# KiCad board board_deltaRenumBack.kicad_pcb (continued)
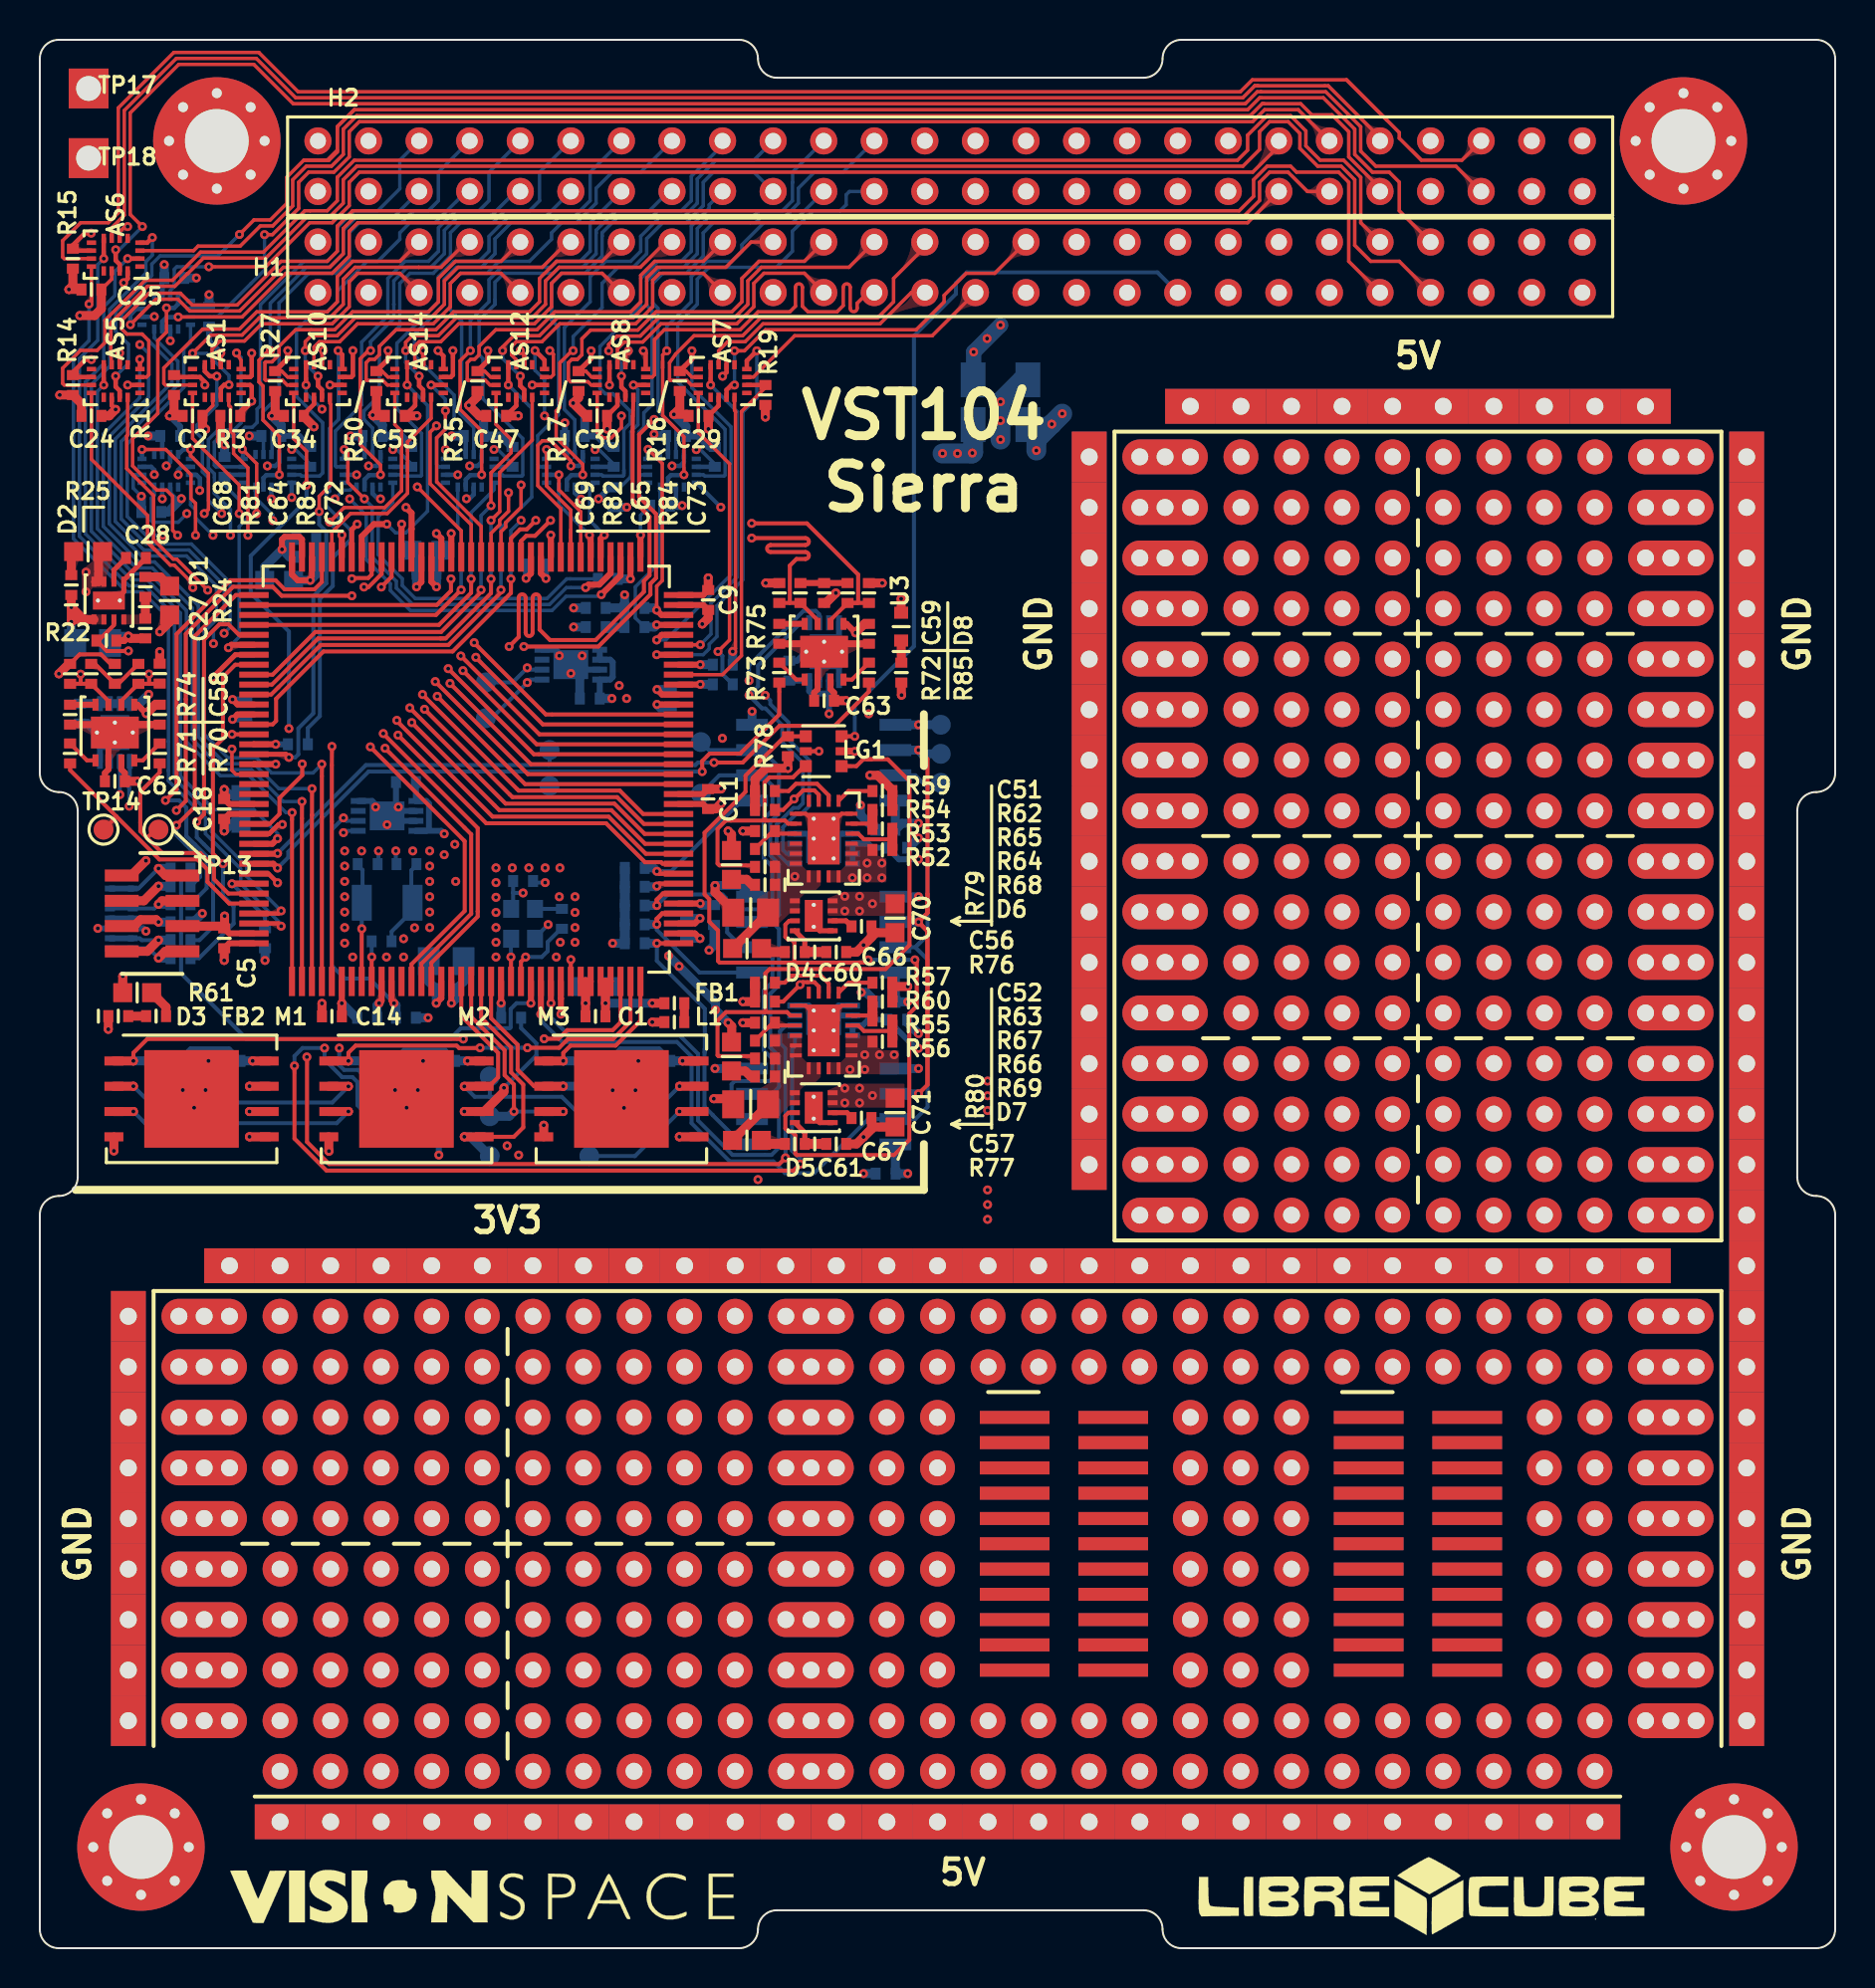
[diagram p0: board, top side]
## Copper pours and planes (outline as drawn; the poured copper is in the pictures) (continued)
GND on In4.Cu: -1.27,96.52 91.44,96.52 91.44,-1.27 -1.27,-1.27
/EF1_out on Top: 35.37,51.12 34.8,50.7 34.63,50.06 35.27,50.23 35.69,50.8
/EF1_out on Top: 38.27,54.4 38.52,54.15 39.22,54.15 39.22,53.41 38.9,53.09 38.52,53.09 38.17,52.74 38.17,51.99 37.66,51.99 37.12,51.48 36.02,51.48 36.02,52.74 36.67,53.14 36.67,55.6 38.27,55.6
/EF2_out on Top: 38.27,44.76 38.52,44.51 39.22,44.51 39.22,43.77 38.9,43.45 38.52,43.45 38.17,43.1 38.17,42.35 37.66,42.35 37.12,41.84 36.02,41.84 36.02,43.1 36.67,43.5 36.67,45.96 38.27,45.96
/I2C2_SDA on Bottom: 23.3,62.55 22.41,62.3 22.22,61.62 22.9,61.8 23.44,62.41
/I2C2_SDA on Bottom: 23.3,62.55 22.41,62.3 22.22,61.62 22.9,61.8 23.44,62.41
/Q1 on Bottom: 26.44,43.09 27.24,42.65 27.85,43 27.24,43.35 26.44,43.53
/TEMP_VDD on Top: 3.34,68.35 2.67,68.35 2.54,68.22 2.54,68.15 2.1,68.15 2.1,69.25 2.68,69.7 3.62,69.7 3.34,68.91
CAN_1_N on Top: 40.95,84.65 40.99,84.69 41.04,84.72 41.08,84.76 41.12,84.79 41.16,84.82 41.21,84.85 41.25,84.88 41.3,84.9 41.34,84.93 41.39,84.95 41.44,84.97 41.49,84.98 41.54,85 41.59,85.01 41.64,85.02 41.69,85.03 41.74,85.04 41.8,85.04 41.85,85.04 41.9,85.04 42.15,85.97 41.23,85.72 41.23,85.66 41.22,85.61 41.22,85.56 41.21,85.5 41.2,85.45 41.19,85.4 41.18,85.35 41.17,85.3 41.15,85.25 41.13,85.21 41.11,85.16 41.09,85.11 41.06,85.07 41.04,85.02 41.01,84.98 40.98,84.94 40.94,84.89 40.91,84.85 40.87,84.81 40.83,84.77
CAN_2_N on Bottom: 40.95,89.73 40.99,89.77 41.04,89.8 41.08,89.84 41.12,89.87 41.16,89.9 41.21,89.93 41.25,89.96 41.3,89.98 41.34,90.01 41.39,90.03 41.44,90.05 41.49,90.06 41.54,90.08 41.59,90.09 41.64,90.1 41.69,90.11 41.74,90.12 41.8,90.12 41.85,90.12 41.9,90.12 42.15,91.05 41.23,90.8 41.23,90.74 41.22,90.69 41.22,90.64 41.21,90.58 41.2,90.53 41.19,90.48 41.18,90.43 41.17,90.38 41.15,90.33 41.13,90.29 41.11,90.24 41.09,90.19 41.06,90.15 41.04,90.1 41.01,90.06 40.98,90.02 40.94,89.97 40.91,89.93 40.87,89.89 40.83,89.85
CAN_2_P on Bottom: 40.67,88.18 41.42,87.79 42.25,88.26 41.42,88.74 40.67,88.35
CPU_MODE on Top: 48.57,84.65 48.61,84.69 48.66,84.72 48.7,84.76 48.74,84.79 48.78,84.82 48.83,84.85 48.87,84.88 48.92,84.9 48.96,84.93 49.01,84.95 49.06,84.97 49.11,84.98 49.16,85 49.21,85.01 49.26,85.02 49.31,85.03 49.36,85.04 49.42,85.04 49.47,85.04 49.52,85.04 49.77,85.97 48.85,85.72 48.85,85.66 48.84,85.61 48.84,85.56 48.83,85.5 48.82,85.45 48.81,85.4 48.8,85.35 48.79,85.3 48.77,85.25 48.75,85.21 48.73,85.16 48.71,85.11 48.68,85.07 48.66,85.02 48.63,84.98 48.6,84.94 48.56,84.89 48.53,84.85 48.49,84.81 48.45,84.77
CPU_WD_1 on Top: 46.03,82.11 46.07,82.15 46.12,82.18 46.16,82.22 46.2,82.25 46.24,82.28 46.29,82.31 46.33,82.34 46.38,82.36 46.42,82.39 46.47,82.41 46.52,82.43 46.57,82.44 46.62,82.46 46.67,82.47 46.72,82.48 46.77,82.49 46.82,82.5 46.88,82.5 46.93,82.5 46.98,82.5 47.23,83.43 46.31,83.18 46.31,83.12 46.3,83.07 46.3,83.02 46.29,82.96 46.28,82.91 46.27,82.86 46.26,82.81 46.25,82.76 46.23,82.71 46.21,82.67 46.19,82.62 46.17,82.57 46.14,82.53 46.12,82.48 46.09,82.44 46.06,82.4 46.02,82.35 45.99,82.31 45.95,82.27 45.91,82.23
GLO_FAULT on Top: 43.49,84.39 43.53,84.45 43.58,84.51 43.62,84.57 43.66,84.63 43.7,84.68 43.75,84.72 43.79,84.77 43.84,84.81 43.88,84.85 43.93,84.88 43.98,84.91 44.03,84.94 44.08,84.96 44.13,84.99 44.18,85 44.23,85.02 44.28,85.03 44.34,85.04 44.39,85.04 44.44,85.04 44.69,85.97 43.77,85.72 43.77,85.66 43.76,85.61 43.76,85.55 43.75,85.49 43.74,85.44 43.73,85.38 43.72,85.32 43.71,85.26 43.69,85.2 43.67,85.14 43.65,85.08 43.63,85.02 43.6,84.96 43.58,84.9 43.55,84.83 43.52,84.77 43.48,84.71 43.45,84.64 43.41,84.58 43.37,84.51
GLO_FAULT on Top: 43.49,84.39 43.53,84.45 43.58,84.51 43.62,84.57 43.66,84.63 43.7,84.68 43.75,84.72 43.79,84.77 43.84,84.81 43.88,84.85 43.93,84.88 43.98,84.91 44.03,84.94 44.08,84.96 44.13,84.99 44.18,85 44.23,85.02 44.28,85.03 44.34,85.04 44.39,85.04 44.44,85.04 44.69,85.97 43.77,85.72 43.77,85.66 43.76,85.61 43.76,85.55 43.75,85.49 43.74,85.44 43.73,85.38 43.72,85.32 43.71,85.26 43.69,85.2 43.67,85.14 43.65,85.08 43.63,85.02 43.6,84.96 43.58,84.9 43.55,84.83 43.52,84.77 43.48,84.71 43.45,84.64 43.41,84.58 43.37,84.51
GLO_KS_1 on Bottom: 56.08,84.11 56.12,84.07 56.16,84.03 56.19,83.99 56.22,83.95 56.25,83.91 56.28,83.86 56.31,83.82 56.33,83.78 56.35,83.73 56.37,83.69 56.39,83.64 56.41,83.59 56.42,83.54 56.44,83.5 56.45,83.45 56.45,83.4 56.46,83.35 56.46,83.3 56.47,83.24 56.47,83.19 57.39,82.94 57.14,83.87 57.09,83.87 57.04,83.87 56.99,83.87 56.94,83.88 56.89,83.89 56.84,83.9 56.79,83.91 56.74,83.93 56.7,83.94 56.65,83.96 56.6,83.98 56.56,84 56.52,84.03 56.47,84.05 56.43,84.08 56.39,84.11 56.35,84.14 56.31,84.18 56.27,84.21 56.23,84.25
GLO_SYNC on Top: 42.81,82.11 42.92,82.15 43.02,82.18 43.13,82.22 43.22,82.25 43.32,82.28 43.41,82.31 43.5,82.34 43.59,82.36 43.68,82.39 43.76,82.41 43.84,82.43 43.92,82.44 43.99,82.46 44.07,82.47 44.14,82.48 44.2,82.49 44.27,82.5 44.33,82.5 44.39,82.5 44.44,82.5 44.69,83.43 43.77,83.18 43.77,83.12 43.76,83.07 43.74,83.02 43.73,82.96 43.7,82.91 43.67,82.86 43.64,82.81 43.6,82.76 43.55,82.71 43.5,82.67 43.44,82.62 43.38,82.57 43.31,82.53 43.24,82.48 43.16,82.44 43.08,82.4 42.99,82.35 42.9,82.31 42.8,82.27 42.69,82.23
GLO_SYNC on Top: 42.81,82.11 42.92,82.15 43.02,82.18 43.13,82.22 43.22,82.25 43.32,82.28 43.41,82.31 43.5,82.34 43.59,82.36 43.68,82.39 43.76,82.41 43.84,82.43 43.92,82.44 43.99,82.46 44.07,82.47 44.14,82.48 44.2,82.49 44.27,82.5 44.33,82.5 44.39,82.5 44.44,82.5 44.69,83.43 43.77,83.18 43.77,83.12 43.76,83.07 43.74,83.02 43.73,82.96 43.7,82.91 43.67,82.86 43.64,82.81 43.6,82.76 43.55,82.71 43.5,82.67 43.44,82.62 43.38,82.57 43.31,82.53 43.24,82.48 43.16,82.44 43.08,82.4 42.99,82.35 42.9,82.31 42.8,82.27 42.69,82.23
I2C_1_SCL on Top: 38.34,84.09 38.69,83.19 39.61,82.94 39.36,83.87 38.46,84.22
I2C_1_SDA on Top: 38.46,84.69 39.36,85.04 39.61,85.97 38.69,85.72 38.34,84.82
I2C_2_SCL on Bottom: 38.41,87.19 38.45,87.23 38.5,87.26 38.54,87.3 38.58,87.33 38.62,87.36 38.67,87.39 38.71,87.42 38.76,87.44 38.8,87.47 38.85,87.49 38.9,87.51 38.95,87.52 39,87.54 39.05,87.55 39.1,87.56 39.15,87.57 39.2,87.58 39.26,87.58 39.31,87.58 39.36,87.58 39.61,88.51 38.69,88.26 38.69,88.2 38.68,88.15 38.68,88.1 38.67,88.04 38.66,87.99 38.65,87.94 38.64,87.89 38.63,87.84 38.61,87.79 38.59,87.75 38.57,87.7 38.55,87.65 38.52,87.61 38.5,87.56 38.47,87.52 38.44,87.48 38.4,87.43 38.37,87.39 38.33,87.35 38.29,87.31
I2C_2_SDA on Bottom: 38.41,89.73 38.45,89.77 38.5,89.8 38.54,89.84 38.58,89.87 38.62,89.9 38.67,89.93 38.71,89.96 38.76,89.98 38.8,90.01 38.85,90.03 38.9,90.05 38.95,90.06 39,90.08 39.05,90.09 39.1,90.1 39.15,90.11 39.2,90.12 39.26,90.12 39.31,90.12 39.36,90.12 39.61,91.05 38.69,90.8 38.69,90.74 38.68,90.69 38.68,90.64 38.67,90.58 38.66,90.53 38.65,90.48 38.64,90.43 38.63,90.38 38.61,90.33 38.59,90.29 38.57,90.24 38.55,90.19 38.52,90.15 38.5,90.1 38.47,90.06 38.44,90.02 38.4,89.97 38.37,89.93 38.33,89.89 38.29,89.85
SPI_1_CS1 on Top: 23.1,84.09 23.45,83.19 24.37,82.94 24.12,83.87 23.22,84.22
SPI_1_CS2 on In2.Cu: 20.68,82.15 21.58,82.5 21.83,83.43 20.91,83.18 20.56,82.28
SPI_1_MISO on Top: 25.55,84.65 25.6,84.69 25.66,84.72 25.72,84.76 25.77,84.79 25.83,84.82 25.89,84.85 25.94,84.88 26,84.9 26.05,84.93 26.11,84.95 26.17,84.97 26.22,84.98 26.28,85 26.33,85.01 26.39,85.02 26.44,85.03 26.5,85.04 26.55,85.04 26.61,85.04 26.66,85.04 26.91,85.97 25.99,85.72 25.99,85.66 25.98,85.61 25.98,85.56 25.97,85.5 25.95,85.45 25.94,85.4 25.92,85.35 25.9,85.3 25.88,85.25 25.85,85.21 25.82,85.16 25.79,85.11 25.75,85.07 25.71,85.02 25.67,84.98 25.63,84.94 25.58,84.89 25.53,84.85 25.48,84.81 25.42,84.77
SPI_1_MOSI on Top: 23.22,84.69 24.12,85.04 24.37,85.97 23.45,85.72 23.1,84.82
SPI_1_SCK on In2.Cu: 25.71,82.11 25.75,82.15 25.8,82.18 25.84,82.22 25.88,82.25 25.92,82.28 25.97,82.31 26.01,82.34 26.06,82.36 26.1,82.39 26.15,82.41 26.2,82.43 26.25,82.44 26.3,82.46 26.35,82.47 26.4,82.48 26.45,82.49 26.5,82.5 26.56,82.5 26.61,82.5 26.66,82.5 26.91,83.43 25.99,83.18 25.99,83.12 25.98,83.07 25.98,83.02 25.97,82.96 25.96,82.91 25.95,82.86 25.94,82.81 25.93,82.76 25.91,82.71 25.89,82.67 25.87,82.62 25.85,82.57 25.82,82.53 25.8,82.48 25.77,82.44 25.74,82.4 25.7,82.35 25.67,82.31 25.63,82.27 25.59,82.23
SPI_2_CS1 on Bottom: 22.93,87.19 23,87.23 23.06,87.26 23.12,87.3 23.19,87.33 23.25,87.36 23.31,87.39 23.37,87.42 23.43,87.44 23.49,87.47 23.55,87.49 23.61,87.51 23.67,87.52 23.73,87.54 23.79,87.55 23.84,87.56 23.9,87.57 23.96,87.58 24.01,87.58 24.07,87.58 24.12,87.58 24.37,88.51 23.45,88.26 23.45,88.2 23.44,88.15 23.43,88.1 23.42,88.04 23.41,87.99 23.39,87.94 23.37,87.89 23.35,87.84 23.32,87.79 23.29,87.75 23.26,87.7 23.22,87.65 23.18,87.61 23.14,87.56 23.09,87.52 23.04,87.48 22.99,87.43 22.93,87.39 22.87,87.35 22.81,87.31
SPI_2_CS2 on Bottom: 20.47,87.19 20.52,87.23 20.58,87.26 20.64,87.3 20.69,87.33 20.75,87.36 20.81,87.39 20.86,87.42 20.92,87.44 20.97,87.47 21.03,87.49 21.09,87.51 21.14,87.52 21.2,87.54 21.25,87.55 21.31,87.56 21.36,87.57 21.42,87.58 21.47,87.58 21.53,87.58 21.58,87.58 21.83,88.51 20.91,88.26 20.91,88.2 20.9,88.15 20.9,88.1 20.89,88.04 20.87,87.99 20.86,87.94 20.84,87.89 20.82,87.84 20.8,87.79 20.77,87.75 20.74,87.7 20.71,87.65 20.67,87.61 20.63,87.56 20.59,87.52 20.55,87.48 20.5,87.43 20.45,87.39 20.4,87.35 20.34,87.31
SPI_2_MISO on Bottom: 25.71,89.73 25.75,89.77 25.8,89.8 25.84,89.84 25.88,89.87 25.92,89.9 25.97,89.93 26.01,89.96 26.06,89.98 26.1,90.01 26.15,90.03 26.2,90.05 26.25,90.06 26.3,90.08 26.35,90.09 26.4,90.1 26.45,90.11 26.5,90.12 26.56,90.12 26.61,90.12 26.66,90.12 26.91,91.05 25.99,90.8 25.99,90.74 25.98,90.69 25.98,90.64 25.97,90.58 25.96,90.53 25.95,90.48 25.94,90.43 25.93,90.38 25.91,90.33 25.89,90.29 25.87,90.24 25.85,90.19 25.82,90.15 25.8,90.1 25.77,90.06 25.74,90.02 25.7,89.97 25.67,89.93 25.63,89.89 25.59,89.85
SPI_2_MOSI on Bottom: 23.17,89.73 23.21,89.77 23.26,89.8 23.3,89.84 23.34,89.87 23.38,89.9 23.43,89.93 23.47,89.96 23.52,89.98 23.56,90.01 23.61,90.03 23.66,90.05 23.71,90.06 23.76,90.08 23.81,90.09 23.86,90.1 23.91,90.11 23.96,90.12 24.02,90.12 24.07,90.12 24.12,90.12 24.37,91.05 23.45,90.8 23.45,90.74 23.44,90.69 23.44,90.64 23.43,90.58 23.42,90.53 23.41,90.48 23.4,90.43 23.39,90.38 23.37,90.33 23.35,90.29 23.33,90.24 23.31,90.19 23.28,90.15 23.26,90.1 23.23,90.06 23.2,90.02 23.16,89.97 23.13,89.93 23.09,89.89 23.05,89.85
SPI_2_SCK on Bottom: 25.71,87.19 25.75,87.23 25.8,87.26 25.84,87.3 25.88,87.33 25.92,87.36 25.97,87.39 26.01,87.42 26.06,87.44 26.1,87.47 26.15,87.49 26.2,87.51 26.25,87.52 26.3,87.54 26.35,87.55 26.4,87.56 26.45,87.57 26.5,87.58 26.56,87.58 26.61,87.58 26.66,87.58 26.91,88.51 25.99,88.26 25.99,88.2 25.98,88.15 25.98,88.1 25.97,88.04 25.96,87.99 25.95,87.94 25.94,87.89 25.93,87.84 25.91,87.79 25.89,87.75 25.87,87.7 25.85,87.65 25.82,87.61 25.8,87.56 25.77,87.52 25.74,87.48 25.7,87.43 25.67,87.39 25.63,87.35 25.59,87.31
SUP_3V3 on Top: 42.08,54.9 42.52,54.75 42.52,53.55 39.52,53.55 39.52,54.15 40.22,54.15 40.47,54.4 40.47,55.6 41.13,55.6 41.24,55.49 42.08,55.49
SUP_3V3 on Bottom: 46.52,79.89 46.44,79.25 46.88,78.49 47.31,79.25 47.29,79.89
SUP_3V3 on In3.Cu: 48.08,87.72 47.67,88.26 46.75,88.51 47,87.58 47.54,87.17
SUP_3V3 on In3.Cu: 45.9,91.35 46.31,90.81 47.23,90.56 46.98,91.49 46.44,91.9
SUP_3V3 on In3.Cu: 42.64,54.76 42.64,53.55 40.22,53.55 40.22,54.15 40.47,54.4 40.47,54.76
SUP_5V on Top: 42.08,45.26 42.32,45.12 43.14,45.12 43.14,43.91 39.52,43.91 39.52,44.51 40.22,44.51 40.47,44.76 40.47,45.96 41.13,45.96 41.24,45.85 42.08,45.85
SUP_5V on In3.Cu: 45.54,87.72 45.13,88.26 44.21,88.51 44.46,87.58 45,87.17
SUP_5V on In3.Cu: 43.14,45.12 43.14,43.91 40.22,43.91 40.22,44.51 40.47,44.76 40.47,45.12
UART_1_CTS on Top: 28.3,84.69 29.2,85.04 29.45,85.97 28.53,85.72 28.18,84.82
UART_1_RST on Top: 30.47,84.65 30.54,84.69 30.62,84.72 30.69,84.76 30.75,84.79 30.82,84.82 30.89,84.85 30.96,84.88 31.02,84.9 31.09,84.93 31.15,84.95 31.21,84.97 31.28,84.98 31.34,85 31.4,85.01 31.46,85.02 31.52,85.03 31.57,85.04 31.63,85.04 31.69,85.04 31.74,85.04 31.99,85.97 31.07,85.72 31.07,85.66 31.06,85.61 31.05,85.56 31.04,85.5 31.02,85.45 31.01,85.4 30.98,85.35 30.96,85.3 30.92,85.25 30.89,85.21 30.85,85.16 30.81,85.11 30.77,85.07 30.72,85.02 30.67,84.98 30.61,84.94 30.55,84.89 30.49,84.85 30.42,84.81 30.35,84.77
UART_1_RST on Top: 30.47,84.65 30.54,84.69 30.62,84.72 30.69,84.76 30.75,84.79 30.82,84.82 30.89,84.85 30.96,84.88 31.02,84.9 31.09,84.93 31.15,84.95 31.21,84.97 31.28,84.98 31.34,85 31.4,85.01 31.46,85.02 31.52,85.03 31.57,85.04 31.63,85.04 31.69,85.04 31.74,85.04 31.99,85.97 31.07,85.72 31.07,85.66 31.06,85.61 31.05,85.56 31.04,85.5 31.02,85.45 31.01,85.4 30.98,85.35 30.96,85.3 30.92,85.25 30.89,85.21 30.85,85.16 30.81,85.11 30.77,85.07 30.72,85.02 30.67,84.98 30.61,84.94 30.55,84.89 30.49,84.85 30.42,84.81 30.35,84.77
UART_1_RX on In2.Cu: 30.79,82.11 30.83,82.15 30.88,82.18 30.92,82.22 30.96,82.25 31,82.28 31.05,82.31 31.09,82.34 31.14,82.36 31.18,82.39 31.23,82.41 31.28,82.43 31.33,82.44 31.38,82.46 31.43,82.47 31.48,82.48 31.53,82.49 31.58,82.5 31.64,82.5 31.69,82.5 31.74,82.5 31.99,83.43 31.07,83.18 31.07,83.12 31.06,83.07 31.06,83.02 31.05,82.96 31.04,82.91 31.03,82.86 31.02,82.81 31.01,82.76 30.99,82.71 30.97,82.67 30.95,82.62 30.93,82.57 30.9,82.53 30.88,82.48 30.85,82.44 30.82,82.4 30.78,82.35 30.75,82.31 30.71,82.27 30.67,82.23
UART_1_TX on Top: 28.18,84.09 28.53,83.19 29.45,82.94 29.2,83.87 28.3,84.22
UART_2_CTS on Bottom: 28.25,89.73 28.29,89.77 28.34,89.8 28.38,89.84 28.42,89.87 28.46,89.9 28.51,89.93 28.55,89.96 28.6,89.98 28.64,90.01 28.69,90.03 28.74,90.05 28.79,90.06 28.84,90.08 28.89,90.09 28.94,90.1 28.99,90.11 29.04,90.12 29.1,90.12 29.15,90.12 29.2,90.12 29.45,91.05 28.53,90.8 28.53,90.74 28.52,90.69 28.52,90.64 28.51,90.58 28.5,90.53 28.49,90.48 28.48,90.43 28.47,90.38 28.45,90.33 28.43,90.29 28.41,90.24 28.39,90.19 28.36,90.15 28.34,90.1 28.31,90.06 28.28,90.02 28.24,89.97 28.21,89.93 28.17,89.89 28.13,89.85
UART_2_RST on Bottom: 30.79,89.73 30.83,89.77 30.88,89.8 30.92,89.84 30.96,89.87 31,89.9 31.05,89.93 31.09,89.96 31.14,89.98 31.18,90.01 31.23,90.03 31.28,90.05 31.33,90.06 31.38,90.08 31.43,90.09 31.48,90.1 31.53,90.11 31.58,90.12 31.64,90.12 31.69,90.12 31.74,90.12 31.99,91.05 31.07,90.8 31.07,90.74 31.06,90.69 31.06,90.64 31.05,90.58 31.04,90.53 31.03,90.48 31.02,90.43 31.01,90.38 30.99,90.33 30.97,90.29 30.95,90.24 30.93,90.19 30.9,90.15 30.88,90.1 30.85,90.06 30.82,90.02 30.78,89.97 30.75,89.93 30.71,89.89 30.67,89.85
UART_2_RX on Bottom: 30.67,87.23 31.74,87.58 31.99,88.51 31.07,88.26 31.07,88.2 31.06,88.15 31.06,88.1 31.05,88.05 31.04,88 31.02,87.95 31.01,87.9 30.99,87.85 30.97,87.8 30.94,87.76 30.91,87.71 30.88,87.67 30.85,87.63 30.82,87.59 30.78,87.55 30.74,87.51 30.7,87.47 30.65,87.43 30.6,87.39 30.55,87.36
UART_2_TX on Bottom: 28.25,87.19 28.29,87.23 28.34,87.26 28.38,87.3 28.42,87.33 28.46,87.36 28.51,87.39 28.55,87.42 28.6,87.44 28.64,87.47 28.69,87.49 28.74,87.51 28.79,87.52 28.84,87.54 28.89,87.55 28.94,87.56 28.99,87.57 29.04,87.58 29.1,87.58 29.15,87.58 29.2,87.58 29.45,88.51 28.53,88.26 28.53,88.2 28.52,88.15 28.52,88.1 28.51,88.04 28.5,87.99 28.49,87.94 28.48,87.89 28.47,87.84 28.45,87.79 28.43,87.75 28.41,87.7 28.39,87.65 28.36,87.61 28.34,87.56 28.31,87.52 28.28,87.48 28.24,87.43 28.21,87.39 28.17,87.35 28.13,87.31
UART_RCS_1_CTS on Top: 33.38,84.69 34.28,85.04 34.53,85.97 33.61,85.72 33.26,84.82
UART_RCS_1_RST on Top: 35.72,85.64 36.34,85.25 37.17,85.72 36.34,86.2 35.72,85.81
UART_RCS_1_RX on In2.Cu: 35.87,82.11 35.91,82.15 35.96,82.18 36,82.22 36.04,82.25 36.08,82.28 36.13,82.31 36.17,82.34 36.22,82.36 36.26,82.39 36.31,82.41 36.36,82.43 36.41,82.44 36.46,82.46 36.51,82.47 36.56,82.48 36.61,82.49 36.66,82.5 36.72,82.5 36.77,82.5 36.82,82.5 37.07,83.43 36.15,83.18 36.15,83.12 36.14,83.07 36.14,83.02 36.13,82.96 36.12,82.91 36.11,82.86 36.1,82.81 36.09,82.76 36.07,82.71 36.05,82.67 36.03,82.62 36.01,82.57 35.98,82.53 35.96,82.48 35.93,82.44 35.9,82.4 35.86,82.35 35.83,82.31 35.79,82.27 35.75,82.23
UART_RCS_1_TX on Top: 33.26,84.09 33.61,83.19 34.53,82.94 34.28,83.87 33.38,84.22
UART_RCS_2_CTS on Bottom: 33.33,89.51 33.37,89.57 33.42,89.63 33.46,89.68 33.5,89.73 33.54,89.78 33.59,89.83 33.63,89.87 33.68,89.91 33.72,89.94 33.77,89.97 33.82,90 33.87,90.03 33.92,90.05 33.97,90.07 34.02,90.09 34.07,90.1 34.12,90.11 34.18,90.12 34.23,90.12 34.28,90.12 34.53,91.05 33.61,90.8 33.61,90.74 33.6,90.69 33.6,90.63 33.59,90.58 33.58,90.52 33.57,90.46 33.56,90.41 33.55,90.35 33.53,90.29 33.51,90.23 33.49,90.18 33.47,90.12 33.44,90.06 33.42,90 33.39,89.94 33.36,89.88 33.32,89.82 33.29,89.76 33.25,89.7 33.21,89.64
UART_RCS_2_RST on Bottom: 35.92,89.77 36.82,90.12 37.07,91.05 36.15,90.8 35.8,89.9
UART_RCS_2_RX on Bottom: 35.8,89.17 36.15,88.27 37.07,88.02 36.82,88.95 35.92,89.3
USER_1_1 on Top: 18.02,84.09 18.37,83.19 19.29,82.94 19.04,83.87 18.14,84.22
USER_1_2 on Top: 18.14,84.69 19.04,85.04 19.29,85.97 18.37,85.72 18.02,84.82
USER_1_4 on Top: 20.47,84.65 20.52,84.69 20.58,84.72 20.64,84.76 20.69,84.79 20.75,84.82 20.81,84.85 20.86,84.88 20.92,84.9 20.97,84.93 21.03,84.95 21.09,84.97 21.14,84.98 21.2,85 21.25,85.01 21.31,85.02 21.36,85.03 21.42,85.04 21.47,85.04 21.53,85.04 21.58,85.04 21.83,85.97 20.91,85.72 20.91,85.66 20.9,85.61 20.9,85.56 20.89,85.5 20.87,85.45 20.86,85.4 20.84,85.35 20.82,85.3 20.8,85.25 20.77,85.21 20.74,85.16 20.71,85.11 20.67,85.07 20.63,85.02 20.59,84.98 20.55,84.94 20.5,84.89 20.45,84.85 20.4,84.81 20.34,84.77
USER_2_1 on Bottom: 18.09,87.19 18.13,87.23 18.18,87.26 18.22,87.3 18.26,87.33 18.3,87.36 18.35,87.39 18.39,87.42 18.44,87.44 18.48,87.47 18.53,87.49 18.58,87.51 18.63,87.52 18.68,87.54 18.73,87.55 18.78,87.56 18.83,87.57 18.88,87.58 18.94,87.58 18.99,87.58 19.04,87.58 19.29,88.51 18.37,88.26 18.37,88.2 18.36,88.15 18.36,88.1 18.35,88.04 18.34,87.99 18.33,87.94 18.32,87.89 18.31,87.84 18.29,87.79 18.27,87.75 18.25,87.7 18.23,87.65 18.2,87.61 18.18,87.56 18.15,87.52 18.12,87.48 18.08,87.43 18.05,87.39 18.01,87.35 17.97,87.31
USER_2_2 on Bottom: 18.14,89.77 19.04,90.12 19.29,91.05 18.37,90.8 18.02,89.9
USER_2_4 on Bottom: 20.63,89.73 20.67,89.77 20.72,89.8 20.76,89.84 20.8,89.87 20.84,89.9 20.89,89.93 20.93,89.96 20.98,89.98 21.02,90.01 21.07,90.03 21.12,90.05 21.17,90.06 21.22,90.08 21.27,90.09 21.32,90.1 21.37,90.11 21.42,90.12 21.48,90.12 21.53,90.12 21.58,90.12 21.83,91.05 20.91,90.8 20.91,90.74 20.9,90.69 20.9,90.64 20.89,90.58 20.88,90.53 20.87,90.48 20.86,90.43 20.85,90.38 20.83,90.33 20.81,90.29 20.79,90.24 20.77,90.19 20.74,90.15 20.72,90.1 20.69,90.06 20.66,90.02 20.62,89.97 20.59,89.93 20.55,89.89 20.51,89.85
USER_3_1 on In2.Cu: 61.2,84.09 61.55,83.19 62.47,82.94 62.22,83.87 61.32,84.22
USER_3_2 on In2.Cu: 61.2,86.63 61.55,85.73 62.47,85.48 62.22,86.41 61.32,86.76
USER_3_3 on In2.Cu: 63.74,84.09 64.09,83.19 65.01,82.94 64.76,83.87 63.86,84.22
USER_3_4 on In2.Cu: 63.69,86.68 63.73,86.64 63.77,86.6 63.8,86.56 63.84,86.51 63.87,86.47 63.9,86.43 63.92,86.38 63.95,86.34 63.97,86.29 63.99,86.24 64.01,86.2 64.03,86.15 64.04,86.1 64.05,86.05 64.06,86 64.07,85.95 64.08,85.89 64.08,85.84 64.09,85.79 64.09,85.73 65.01,85.48 64.76,86.41 64.71,86.41 64.66,86.41 64.6,86.41 64.55,86.42 64.5,86.43 64.45,86.44 64.4,86.45 64.35,86.47 64.3,86.48 64.25,86.5 64.2,86.52 64.16,86.55 64.11,86.57 64.07,86.6 64.02,86.63 63.98,86.66 63.94,86.69 63.9,86.73 63.85,86.76 63.81,86.8
USER_4_1 on Top: 61.27,87.19 61.31,87.23 61.36,87.26 61.4,87.3 61.44,87.33 61.48,87.36 61.53,87.39 61.57,87.42 61.62,87.44 61.66,87.47 61.71,87.49 61.76,87.51 61.81,87.52 61.86,87.54 61.91,87.55 61.96,87.56 62.01,87.57 62.06,87.58 62.12,87.58 62.17,87.58 62.22,87.58 62.47,88.51 61.55,88.26 61.55,88.2 61.54,88.15 61.54,88.1 61.53,88.04 61.52,87.99 61.51,87.94 61.5,87.89 61.49,87.84 61.47,87.79 61.45,87.75 61.43,87.7 61.41,87.65 61.38,87.61 61.36,87.56 61.33,87.52 61.3,87.48 61.26,87.43 61.23,87.39 61.19,87.35 61.15,87.31
USER_4_2 on Top: 61.27,89.47 61.31,89.53 61.36,89.59 61.4,89.65 61.44,89.71 61.48,89.76 61.53,89.8 61.57,89.85 61.62,89.89 61.66,89.93 61.71,89.96 61.76,89.99 61.81,90.02 61.86,90.04 61.91,90.07 61.96,90.08 62.01,90.1 62.06,90.11 62.12,90.12 62.17,90.12 62.22,90.12 62.47,91.05 61.55,90.8 61.55,90.74 61.54,90.69 61.54,90.63 61.53,90.57 61.52,90.52 61.51,90.46 61.5,90.4 61.49,90.34 61.47,90.28 61.45,90.22 61.43,90.16 61.41,90.1 61.38,90.04 61.36,89.98 61.33,89.91 61.3,89.85 61.26,89.79 61.23,89.72 61.19,89.66 61.15,89.59
USER_4_2 on Top: 61.27,89.47 61.31,89.53 61.36,89.59 61.4,89.65 61.44,89.71 61.48,89.76 61.53,89.8 61.57,89.85 61.62,89.89 61.66,89.93 61.71,89.96 61.76,89.99 61.81,90.02 61.86,90.04 61.91,90.07 61.96,90.08 62.01,90.1 62.06,90.11 62.12,90.12 62.17,90.12 62.22,90.12 62.47,91.05 61.55,90.8 61.55,90.74 61.54,90.69 61.54,90.63 61.53,90.57 61.52,90.52 61.51,90.46 61.5,90.4 61.49,90.34 61.47,90.28 61.45,90.22 61.43,90.16 61.41,90.1 61.38,90.04 61.36,89.98 61.33,89.91 61.3,89.85 61.26,89.79 61.23,89.72 61.19,89.66 61.15,89.59
USER_4_3 on Top: 63.66,88.18 64.28,87.79 65.11,88.26 64.28,88.74 63.66,88.35
USER_4_4 on Top: 63.69,91.76 63.73,91.72 63.77,91.68 63.8,91.64 63.84,91.59 63.87,91.55 63.9,91.51 63.92,91.46 63.95,91.42 63.97,91.37 63.99,91.32 64.01,91.28 64.03,91.23 64.04,91.18 64.05,91.13 64.06,91.08 64.07,91.03 64.08,90.97 64.08,90.92 64.09,90.87 64.09,90.81 65.01,90.56 64.76,91.49 64.71,91.49 64.66,91.49 64.6,91.49 64.55,91.5 64.5,91.51 64.45,91.52 64.4,91.53 64.35,91.55 64.3,91.56 64.25,91.58 64.2,91.6 64.16,91.63 64.11,91.65 64.07,91.68 64.02,91.71 63.98,91.74 63.94,91.77 63.9,91.81 63.85,91.84 63.81,91.88
USER_5_1 on Top: 66.23,84.14 66.27,84.1 66.31,84.06 66.34,84.02 66.38,83.97 66.41,83.93 66.44,83.89 66.46,83.84 66.49,83.8 66.51,83.75 66.53,83.7 66.55,83.66 66.57,83.61 66.58,83.56 66.59,83.51 66.6,83.46 66.61,83.41 66.62,83.35 66.62,83.3 66.63,83.25 66.63,83.19 67.55,82.94 67.3,83.87 67.25,83.87 67.2,83.87 67.14,83.87 67.09,83.88 67.04,83.89 66.99,83.9 66.94,83.91 66.89,83.93 66.84,83.94 66.79,83.96 66.74,83.98 66.7,84.01 66.65,84.03 66.61,84.06 66.56,84.09 66.52,84.12 66.48,84.15 66.44,84.19 66.39,84.22 66.35,84.26
USER_5_2 on Top: 66.28,86.63 66.63,85.73 67.55,85.48 67.3,86.41 66.4,86.76
USER_5_3 on Top: 68.77,84.14 68.81,84.1 68.85,84.06 68.88,84.02 68.92,83.97 68.95,83.93 68.98,83.89 69,83.84 69.03,83.8 69.05,83.75 69.07,83.7 69.09,83.66 69.11,83.61 69.12,83.56 69.13,83.51 69.14,83.46 69.15,83.41 69.16,83.35 69.16,83.3 69.17,83.25 69.17,83.19 70.09,82.94 69.84,83.87 69.79,83.87 69.74,83.87 69.68,83.87 69.63,83.88 69.58,83.89 69.53,83.9 69.48,83.91 69.43,83.93 69.38,83.94 69.33,83.96 69.28,83.98 69.24,84.01 69.19,84.03 69.15,84.06 69.1,84.09 69.06,84.12 69.02,84.15 68.98,84.19 68.93,84.22 68.89,84.26
USER_5_4 on Top: 68.77,86.68 68.81,86.64 68.85,86.6 68.88,86.56 68.92,86.51 68.95,86.47 68.98,86.43 69,86.38 69.03,86.34 69.05,86.29 69.07,86.24 69.09,86.2 69.11,86.15 69.12,86.1 69.13,86.05 69.14,86 69.15,85.95 69.16,85.89 69.16,85.84 69.17,85.79 69.17,85.73 70.09,85.48 69.84,86.41 69.79,86.41 69.74,86.41 69.68,86.41 69.63,86.42 69.58,86.43 69.53,86.44 69.48,86.45 69.43,86.47 69.38,86.48 69.33,86.5 69.28,86.52 69.24,86.55 69.19,86.57 69.15,86.6 69.1,86.63 69.06,86.66 69.02,86.69 68.98,86.73 68.93,86.76 68.89,86.8
USER_6_1 on Top: 66.23,89.39 66.27,89.33 66.31,89.27 66.34,89.22 66.38,89.16 66.41,89.11 66.44,89.05 66.46,88.99 66.49,88.94 66.51,88.88 66.53,88.82 66.55,88.77 66.57,88.71 66.58,88.66 66.59,88.6 66.6,88.55 66.61,88.49 66.62,88.44 66.62,88.38 66.63,88.33 66.63,88.27 67.55,88.02 67.3,88.95 67.25,88.95 67.2,88.95 67.14,88.96 67.09,88.97 67.04,88.98 66.99,89 66.94,89.01 66.89,89.03 66.84,89.06 66.79,89.09 66.74,89.12 66.7,89.15 66.65,89.18 66.61,89.22 66.56,89.26 66.52,89.31 66.48,89.35 66.44,89.4 66.39,89.46 66.35,89.51
USER_6_2 on Top: 66.23,91.93 66.27,91.87 66.31,91.81 66.34,91.76 66.38,91.7 66.41,91.65 66.44,91.59 66.46,91.53 66.49,91.48 66.51,91.42 66.53,91.36 66.55,91.31 66.57,91.25 66.58,91.2 66.59,91.14 66.6,91.09 66.61,91.03 66.62,90.98 66.62,90.92 66.63,90.87 66.63,90.81 67.55,90.56 67.3,91.49 67.25,91.49 67.2,91.49 67.14,91.5 67.09,91.51 67.04,91.52 66.99,91.54 66.94,91.55 66.89,91.57 66.84,91.6 66.79,91.63 66.74,91.66 66.7,91.69 66.65,91.72 66.61,91.76 66.56,91.8 66.52,91.85 66.48,91.89 66.44,91.94 66.39,92 66.35,92.05
USER_6_3 on Top: 71.31,89.22 71.35,89.18 71.39,89.14 71.42,89.1 71.46,89.05 71.49,89.01 71.52,88.97 71.54,88.92 71.57,88.88 71.59,88.83 71.61,88.78 71.63,88.74 71.65,88.69 71.66,88.64 71.67,88.59 71.68,88.54 71.69,88.49 71.7,88.43 71.7,88.38 71.71,88.33 71.71,88.27 72.63,88.02 72.38,88.95 72.33,88.95 72.28,88.95 72.22,88.95 72.17,88.96 72.12,88.97 72.07,88.98 72.02,88.99 71.97,89.01 71.92,89.02 71.87,89.04 71.82,89.06 71.78,89.09 71.73,89.11 71.69,89.14 71.64,89.17 71.6,89.2 71.56,89.23 71.52,89.27 71.47,89.3 71.43,89.34
USER_6_4 on Top: 71.48,89.77 72.38,90.12 72.63,91.05 71.71,90.8 71.36,89.9
Net-(C50-Pad2) on Bottom: 18.11,51.38 18.13,51.44 18.16,51.5 18.19,51.56 18.22,51.61 18.24,51.66 18.27,51.71 18.3,51.75 18.33,51.8 18.36,51.83 18.39,51.87 18.42,51.9 18.45,51.93 18.48,51.95 18.51,51.97 18.55,51.99 18.58,52 18.61,52.01 18.65,52.02 18.68,52.03 18.72,52.03 18.9,52.7 18.22,52.52 17.97,51.52
